# Altium PCB new -finish.PcbDoc (part 2 of 2)
Units mil, origin at the board's own origin, x right, y up, seen from the top; angles counter-clockwise.
Board outline 5529.7 x 2299.1 mil, 2 copper layers (Top Layer, Bottom Layer); 128 components, 106 nets, 434 pads, 104 vias.
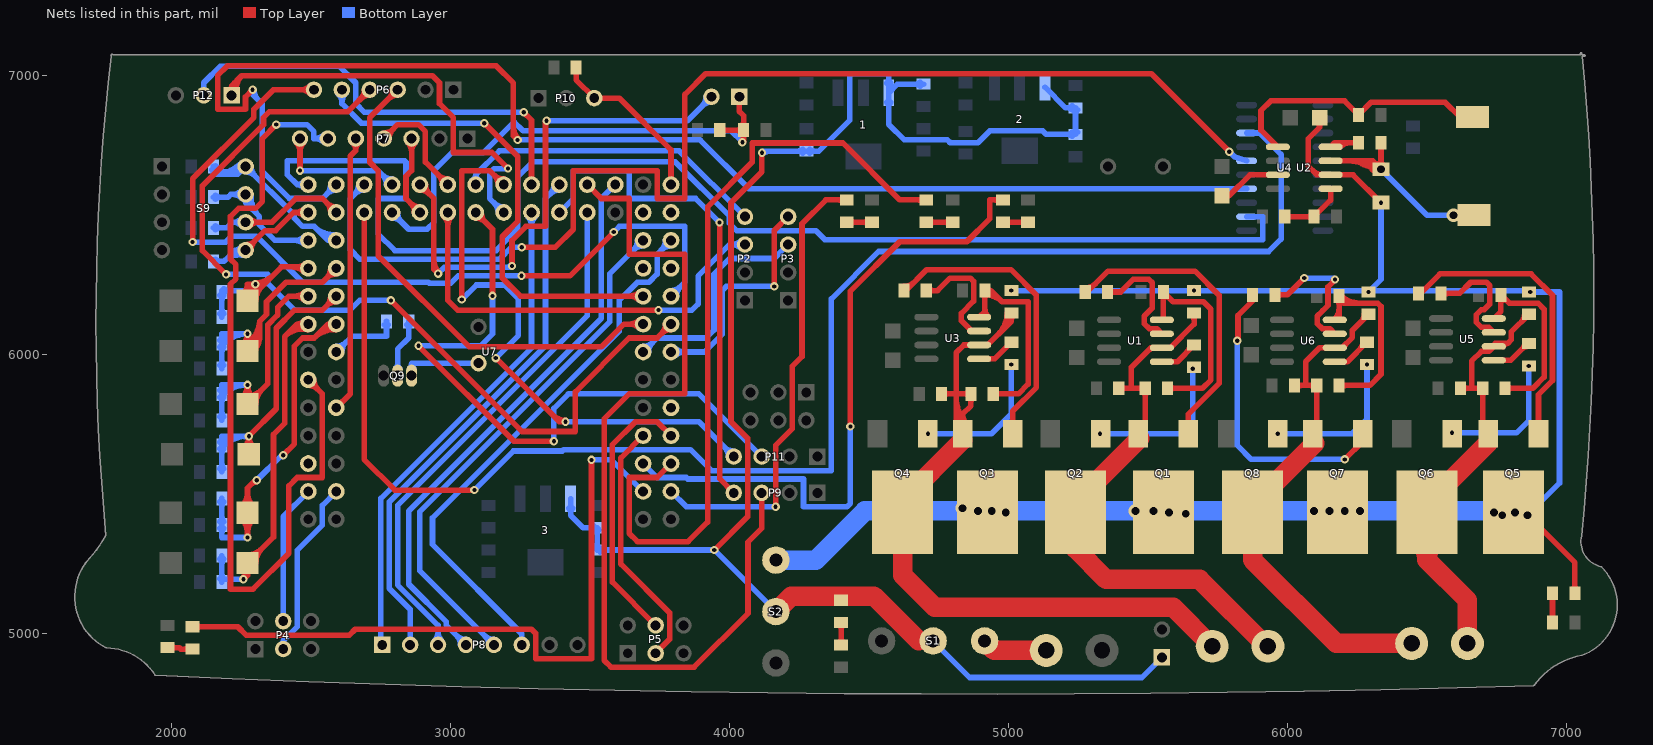
[diagram p2: the nets of this part, all layers, seen from the top]

## Via types
v1: diameter 30, hole 15, Top Layer to Bottom Layer, 76 vias
v2: diameter 50, hole 28, Top Layer to Bottom Layer, 28 vias

## Nets (pads, with @x,y where several pads share a name; then routed paths per layer and width w, separated by ;. In a path a pad name is that pad's centre, name@x,y a point inside that pad or via, vN(x,y) a via of type N, cw(c..) or ccw(c..) an arc to the next point about the centre after c; other vN are vias at no path point) (continued)
NetB1_1: B1.1 C1.2 D2.2 D4.1 Q1.3 Q2.2 U1.6 | length 2191.8
  Top Layer w20: Q2.2@5240,5305 Q2.2@5240,5435 ; D4.1@5395,5880 5435,5880 ; D4.1@5402.07,5872.93 cw(c5419.14,5855.86) 5419.14,5880 cw(c5419.14,5904.14) D4.1@5402.07,5887.07 ; Q1.3@5470,5700 5465.24,5700 Q1.3@5465.24,5716.73 5490,5741.5 C1.2@5490,5880 5435,5880 ; C1.2@5482.93,5867.93 cw(c5465.86,5850.86) 5490,5850.86 cw(c5514.14,5850.86) C1.2@5497.07,5867.93 ; C1.2@5482.93,5872.93 ccw(c5465.86,5855.86) 5465.86,5880 ccw(c5465.86,5904.14) C1.2@5482.93,5887.07 ; 5501.26,6016.26 cw(c5517.99,5999.52) U1.6@5517.99,6023.19 ; D2.2@5657.93,6142.93 cw(c5640.86,6125.86) 5665,6125.86 cw(c5689.14,6125.86) D2.2@5672.07,6142.93 ; D2.2@5665,6150 5665,6110 5580,6025 U1.6@5549.49,6025 5510,6025 5440,5955 5440,5885 5435,5880
  Top Layer w70: Q2.2@5240,5305 5350,5195 5685,5195 5925,4955 B1.1@5930,4955 ; Q2.2@5240,5435 5240,5470 Q1.3@5470,5700
NetB1_2: B1.2 C6.2 D6.2 D7.1 Q3.3 Q4.2 U3.6 | length 3129.3
  Top Layer w20: D7.1@4760,5860 4812.5,5860 ; D7.1@4767.07,5852.93 cw(c4784.14,5835.86) 4784.14,5860 cw(c4784.14,5884.14) D7.1@4767.07,5867.07 ; Q3.3@4812.5,5739.47 4812.5,5860 ; 4812.5,5798.69 ccw(c4902.2,5798.69) Q3.3@4838.77,5735.27 ; 4812.5,5846.98 ccw(c4950.48,5846.98) Q3.3@4852.91,5749.41 ; Q3.3@4818.67,5750.46 ccw(c4786.13,5787.23) 4835.24,5787.23 ; Q3.3@4835.24,5695.24 Q3.3@4835.24,5716.73 4835.24,5787.24 ; Q3.3@4851.8,5750.46 cw(c4884.35,5787.23) 4835.24,5787.23 ; C6.2@4857.93,5847.93 cw(c4840.86,5830.86) 4865,5830.86 cw(c4889.14,5830.86) C6.2@4872.07,5847.93 ; C6.2@4857.93,5852.93 ccw(c4840.86,5835.86) 4840.86,5860 ccw(c4840.86,5884.14) C6.2@4857.93,5867.07 ; U3.6@4894.49,6035 4840,6035 4812.5,6007.5 4812.5,5860 ; U3.6@4925,6035 5010,6120 D6.2@5010,6150 ; 4963.18,6073.18 ccw(c4886.36,6150) D6.2@4995,6150 ; 4997.32,6107.32 ccw(c4954.64,6150) D6.2@5015,6150 ; D6.2@5002.93,6142.93 cw(c4985.86,6125.86) 5010,6125.86 cw(c5034.14,6125.86) D6.2@5017.07,6142.93 ; 4812.5,5860 C6.2@4865,5860 4865,5817 4835.24,5787.24
  Top Layer w70: Q3.3@4835.84,5694.16 4620,5478.33 Q4.2@4620,5435 4620,5210 4735,5095 5590,5095 B1.2@5730,4955
NetB2_1: B2.1 C9.2 D9.2 D10.1 Q5.3 Q6.2 U5.6 | length 1881.3
  Top Layer w20: D10.1@6620,5880 6660,5880 ; D10.1@6627.07,5872.93 cw(c6644.14,5855.86) 6644.14,5880 cw(c6644.14,5904.14) D10.1@6627.07,5887.07 ; C9.2@6692.93,5867.93 cw(c6675.86,5850.86) 6700,5850.86 cw(c6724.14,5850.86) C9.2@6707.07,5867.93 ; C9.2@6692.93,5872.93 ccw(c6675.86,5855.86) 6675.86,5880 ccw(c6675.86,5904.14) C9.2@6692.93,5887.07 ; Q5.3@6720.24,5685.24 Q5.3@6720.24,5716.73 6700,5736.97 C9.2@6700,5880 6660,5880 ; U5.6@6754.01,6036.55 cw(c6760.85,6033.91) U5.6@6760.85,6041.23 ; U5.6@6772.67,6029.35 cw(c6790,6022.66) 6790,6041.23 ; 6839.39,6119.39 ccw(c6813.79,6145) D9.2@6850,6145 ; D9.2@6865,6145 6802.8,6082.8 6802.8,6054.03 6790,6041.23 ; 6660,5880 6660,5977 6694.82,6011.81 6721.3,6011.81 U5.6@6739.49,6030 6745,6030 6745,6041.23 6750.72,6041.23 6790,6041.23
  Top Layer w70: Q6.2@6462.43,5330.6 cw(c6423.95,5265.01) 6500,5265.01 ; Q6.2@6537.57,5330.6 ccw(c6576.05,5265.01) 6500,5265.01 ; B2.1@6645,4965 6645,5120 6500,5265 ; Q5.3@6720.24,5685.24 6500,5465 Q6.2@6500,5435 6500,5265
NetB2_2: B2.2 C11.2 D13.2 D14.1 Q7.3 Q8.2 U6.6 | length 2044.6
  Top Layer w20: D14.1@6025,5890 6065,5890 ; D14.1@6032.07,5882.93 cw(c6049.14,5865.86) 6049.14,5890 cw(c6049.14,5914.14) D14.1@6032.07,5897.07 ; Q7.3@6075,5701.5 6090.24,5701.5 Q7.3@6090.24,5716.73 6105,5731.5 C11.2@6105,5890 6065,5890 ; C11.2@6097.93,5877.93 cw(c6080.86,5860.86) 6105,5860.86 cw(c6129.14,5860.86) C11.2@6112.07,5877.93 ; C11.2@6097.93,5882.93 ccw(c6080.86,5865.86) 6080.86,5890 ccw(c6080.86,5914.14) C11.2@6097.93,5897.07 ; U6.6@6202.8,6025 cw(c6219.27,6025) 6207.62,6036.65 ; 6264.39,6119.39 ccw(c6238.79,6145) D13.2@6275,6145 ; D13.2@6290,6145 6232.8,6087.8 6232.8,6061.82 6195.97,6025 U6.6@6169.49,6025 6115,6025 6065,5975 6065,5890
  Top Layer w70: Q7.3@6097.5,5682.5 5875,5460 Q8.2@5875,5435 5875,5265 6175,4965 B2.2@6445,4965
Netbell1_2: bell1.2 Q9.3 | length 321.7
  Bottom Layer w20: Q9.3@2853.15,5951.53 ccw(c2836.62,5968.07) 2860,5968.07 ccw(c2883.38,5968.07) Q9.3@2866.85,5951.53 ; Q9.3@2860,5925 2860,5970 bell1.2@3100,5970
NetC1_1: C1.1 D1.1 U1.8 | length 841.1
  Top Layer w20: D1.1@5547.93,6212.93 cw(c5530.86,6195.86) 5555,6195.86 cw(c5579.14,6195.86) D1.1@5562.07,6212.93 ; U1.8@5548.21,6126.28 ccw(c5531.81,6142.68) 5555,6142.68 ; U1.8@5549.49,6125 5555,6130.51 D1.1@5555,6225 5590,6190 5698.28,6190 5725,6163.28 5725,5910 5695,5880 C1.1@5570,5880 ; D1.1@5555,6210 cw(c5555,6173.79) 5580.61,6199.39 ; C1.1@5577.07,5872.93 cw(c5594.14,5855.86) 5594.14,5880 cw(c5594.14,5904.14) C1.1@5577.07,5887.07
NetC4_1: C4.1 U2.3 | length 231.6
  Top Layer w20: C4.1@5765,6570 5790,6570 5865,6645 U2.3@5965.51,6645
NetC6_1: C6.1 D5.1 U3.8 | length 973.5
  Top Layer w20: U3.8@4894.49,6135 4915,6155.51 ; D5.1@4907.93,6217.93 cw(c4890.86,6200.86) 4915,6200.86 cw(c4939.14,6200.86) D5.1@4922.07,6217.93 ; D5.1@4914.86,6235 cw(c4915.41,6195.65) 4943.24,6223.48 ; 4915,6165.89 ccw(c4956.87,6165.89) U3.8@4927.26,6136.28 ; D5.1@4915.14,6215 cw(c4916.34,6129.63) 4976.71,6190 ; D5.1@4922.6,6223.5 cw(c4936.72,6211.42) 4936.72,6230 ; D5.1@4922.6,6236.5 ccw(c4936.72,6248.58) 4936.72,6230 ; U3.8@4926.78,6136.63 cw(c4936.03,6155.51) 4915,6155.51 ; C6.1@4945,5860 5035,5860 5070,5895 5070,6190 4976.72,6190 ; C6.1@4952.07,5852.93 cw(c4969.14,5835.86) 4969.14,5860 cw(c4969.14,5884.14) C6.1@4952.07,5867.07 ; 4915,6155.51 D5.1@4915,6230 4936.72,6230 ; 4936.72,6230 4976.72,6190
NetC9_1: C9.1 D8.1 U5.8 | length 776.1
  Top Layer w20: U5.8@6739.49,6130 6765,6155.51 D8.1@6765,6215 6795,6185 6898.28,6185 6920,6163.28 6920,5920 6880,5880 C9.1@6780,5880 ; D8.1@6757.93,6202.93 cw(c6740.86,6185.86) 6765,6185.86 cw(c6789.14,6185.86) D8.1@6772.07,6202.93 ; D8.1@6765,6200 cw(c6765,6163.79) 6790.61,6189.39 ; C9.1@6787.07,5872.93 cw(c6804.14,5855.86) 6804.14,5880 cw(c6804.14,5904.14) C9.1@6787.07,5887.07
NetC11_1: C11.1 D12.1 U6.8 | length 922.1
  Top Layer w20: U6.8@6168.21,6126.28 ccw(c6127.67,6166.82) 6185,6166.82 ; U6.8@6169.49,6125 6185,6140.51 D12.1@6185,6210 6210,6185 ; C11.1@6185,5890 6295,5890 6335,5930 6335,6173.28 6323.28,6185 6210,6185 ; D12.1@6185.19,6195 cw(c6185.84,6160.84) 6210,6185 ; C11.1@6192.07,5882.93 cw(c6209.14,5865.86) 6209.14,5890 cw(c6209.14,5914.14) C11.1@6192.07,5897.07 ; D12.1@6192.07,6197.93 ccw(c6209.14,6180.86) 6185,6180.86 ccw(c6160.86,6180.86) 6177.93,6197.93 ccw(c6209.14,6229.14) 6209.14,6185 ; D12.1@6192.07,6212.07 ccw(c6257.43,6277.43) 6257.43,6185
NetD3_2: D3.2 L1.2 U2.1 | length 989.7
  Top Layer w20: U2.1@5965.51,6745 5905,6805.51 5905,6875 5940,6910 6205,6910 D3.2@6255,6860 6300,6905 6565,6905 6617.83,6852.17 L1.2@6663.94,6852.17
NetD11_1: D11.1 R11.2 | length 180.8
  Top Layer w20: D11.1@6942.93,5052.07 ccw(c6925.86,5069.14) 6950,5069.14 ccw(c6974.14,5069.14) D11.1@6957.07,5052.07 ; R11.2@6942.93,5132.93 cw(c6925.86,5115.86) 6950,5115.86 cw(c6974.14,5115.86) R11.2@6957.07,5132.93 ; D11.1@6950,5040 R11.2@6950,5145
NetD15_1: D15.1 R14.1 | length 155.8
  Top Layer w20: D15.1@4392.93,4967.07 ccw(c4375.86,4984.14) 4400,4984.14 ccw(c4424.14,4984.14) D15.1@4407.07,4967.07 ; R14.1@4392.93,5032.93 cw(c4375.86,5015.86) 4400,5015.86 cw(c4424.14,5015.86) R14.1@4407.07,5032.93 ; D15.1@4400,4960 R14.1@4400,5040
NetD16_1: D16.1 R26.1 | length 165.8
  Top Layer w20: D16.1@4980,6475 R26.1@5070,6475 ; D16.1@4992.07,6467.93 cw(c5009.14,6450.86) 5009.14,6475 cw(c5009.14,6499.14) D16.1@4992.07,6482.07 ; R26.1@5057.93,6467.93 ccw(c5040.86,6450.86) 5040.86,6475 ccw(c5040.86,6499.14) R26.1@5057.93,6482.07
NetD17_1: D17.1 R27.1 | length 170.8
  Top Layer w20: D17.1@4705,6475 R27.1@4800,6475 ; D17.1@4717.07,6467.93 cw(c4734.14,6450.86) 4734.14,6475 cw(c4734.14,6499.14) D17.1@4717.07,6482.07 ; R27.1@4787.93,6467.93 ccw(c4770.86,6450.86) 4770.86,6475 ccw(c4770.86,6499.14) R27.1@4787.93,6482.07
NetD18_1: D18.1 R30.1 | length 167.9
  Top Layer w20: R30.1@1985,4950 2027,4950 2032,4945 D18.1@2075,4945 ; R30.1@1997.07,4942.93 cw(c2014.14,4925.86) 2014.14,4950 cw(c2014.14,4974.14) R30.1@1997.07,4957.07 ; D18.1@2062.93,4937.93 ccw(c2045.86,4920.86) 2045.86,4945 ccw(c2045.86,4969.14) D18.1@2062.93,4952.07
NetD19_1: D19.1 R32.1 | length 165.8
  Top Layer w20: D19.1@4420,6475 R32.1@4510,6475 ; D19.1@4432.07,6467.93 cw(c4449.14,6450.86) 4449.14,6475 cw(c4449.14,6499.14) D19.1@4432.07,6482.07 ; R32.1@4497.93,6467.93 ccw(c4480.86,6450.86) 4480.86,6475 ccw(c4480.86,6499.14) R32.1@4497.93,6482.07
NetH1_2: H1.2 S1.1 | length 235.1
  Top Layer w70: S1.1@4914,4974 4948,4940 H1.2@5135,4940
NetL1_1: L1.1 R2.1 R4.2 U2.7 | length 1410.7
  Top Layer w20: U2.7@6154.49,6695 6305,6695 ; 6221.36,6695 cw(c6221.36,6556.36) R2.1@6319.39,6654.39 ; 6265.74,6685.37 ccw(c6304.71,6752.87) R2.1@6330.11,6679.18 ; 6269.64,6695 cw(c6269.64,6604.64) R2.1@6333.54,6668.54 ; 6299.93,6687.94 cw(c6277.85,6649.69) R2.1@6320.51,6661.12 ; 6303.73,6663.44 ccw(c6323.65,6697.93) R2.1@6336.63,6660.27 ; R2.1@6309.67,6682.31 ccw(c6323.8,6706.79) R2.1@6331.12,6679.49 ; R2.1@6312.93,6687.07 ccw(c6330,6704.14) R2.1@6330,6680 ; R2.1@6315.08,6666.56 ccw(c6280.21,6670.2) 6305,6695 ; R2.1@6320,6665 ccw(c6283.79,6665) 6309.39,6690.61 ccw(c6335,6716.21) R2.1@6335,6680 ; R4.2@6327.93,6747.93 cw(c6310.86,6730.86) 6335,6730.86 cw(c6359.14,6730.86) R4.2@6342.07,6747.93 ; R4.2@6335,6760 v2(6335,6665) 6305,6695 ; v2@6605.61,6489.39 cw(c6631.21,6463.79) 6631.21,6500 cw(c6631.21,6536.21) v2@6605.61,6510.61 ; L1.1@6622.58,6516.15 cw(c6595,6531.62) v2(6595,6500) ; L1.1@6624.17,6484.86 ccw(c6595,6464.32) v2(6595,6500) ; L1.1@6667.87,6501.77 6666.1,6500 v2(6595,6500) ; 6335,6701.21 cw(c6298.79,6701.21) 6324.39,6675.61 ccw(c6298.79,6701.21) 6335,6701.21 ; 6335,6701.21 ccw(c6371.21,6701.21) 6345.61,6675.61 cw(c6371.21,6701.21) 6335,6701.21
  Bottom Layer w20: v2(6335,6665) 6500,6500 v2(6595,6500)
NetQ1_1: Q1.1 R1.2 | length 1130.4
  Top Layer w20: R1.2@5275,6225 5281.72,6225 5356.72,6300 5668.28,6300 5755,6213.28 5755,5897.57 5644.76,5787.34 Q1.1@5644.76,5716.73 ; R1.2@5275,6240 ccw(c5275,6292.43) 5312.07,6255.36
NetQ2_1: Q2.1 R3.2 | length 541.2
  Top Layer w20: v1(5328.27,5716.73) Q2.1@5329.76,5716.73
  Bottom Layer w20: v1(5328.27,5716.73) 5616.73,5716.73 5660,5760 v1(5660,5950)
NetQ3_1: Q3.1 R7.2 | length 1117.1
  Top Layer w20: R7.2@4625,6230 4631.72,6230 4706.72,6305 5008.28,6305 5100,6213.28 5100,5882.57 5014.76,5797.34 Q3.1@5014.76,5716.73 ; R7.2@4625,6245 ccw(c4625,6297.43) 4662.07,6260.36
NetQ4_1: Q4.1 R8.2 | length 506.5
  Top Layer w20: Q4.1@4709.76,5716.73 v1(4711.73,5716.73)
  Bottom Layer w20: v1(4711.73,5716.73) 4938.27,5716.73 5010,5788.46 v1(5010,5965)
NetQ5_1: Q5.1 R9.2 | length 1058.1
  Top Layer w20: R9.2@6470,6220 6476.72,6220 6546.72,6290 6873.28,6290 6950,6213.28 6950,5907.57 6899.76,5857.34 Q5.1@6899.76,5716.73
NetQ6_1: Q6.1 R10.2 | length 492.3
  Top Layer w20: Q6.1@6589.76,5716.73 v1(6589.76,5720.24)
  Bottom Layer w20: v1(6589.76,5720.24) 6820.24,5720.24 6865,5765 v1(6865,5960)
NetQ7_1: Q7.1 R12.2 | length 1081.3
  Top Layer w20: v1@5816.46,6053.54 ccw(c5801.89,6068.11) 5822.5,6068.11 ; v1(5820,6050) 5822.5,6047.5 5822.5,6140.78 5875,6193.28 R12.2@5875,6215 ; v1(6205,5625) Q7.1@6269.76,5689.76
  Bottom Layer w20: v1(5820,6050) 5820,5675 5870,5625 v1(6205,5625)
NetQ8_1: Q8.1 R13.2 | length 537.3
  Top Layer w20: Q8.1@5964.76,5716.73 v1(5965,5716.97)
  Bottom Layer w20: v1(5965,5716.97) 6231.97,5716.97 6285,5770 v1(6285,5965)
NetQ9_2: Q9.2 R21.2 | length 286.2
  Bottom Layer w20: Q9.2@2803.15,5951.53 ccw(c2786.62,5968.07) 2810,5968.07 ccw(c2833.38,5968.07) Q9.2@2816.85,5951.53 ; Q9.2@2810,5925 2810,6020 2850,6060 R21.2@2850,6120 ; R21.2@2842.93,6107.93 cw(c2825.86,6090.86) 2850,6090.86 cw(c2874.14,6090.86) R21.2@2857.07,6107.93
NetR1_1: R1.1 U1.7 | length 458.4
  Top Layer w20: R1.1@5355,6225 5401.72,6225 5446.72,6270 5503.28,6270 5515,6258.28 5515,6167 5486.18,6138.18 5486.18,6111.82 5504.82,6093.19 5531.3,6093.19 U1.7@5549.49,6075 ; R1.1@5362.07,6217.93 cw(c5379.14,6200.86) 5379.14,6225 cw(c5379.14,6249.14) R1.1@5362.07,6232.07
NetR3_1: R3.1 U1.5 | length 168.8
  Top Layer w20: U1.5@5549.49,5975 5605,5975 R3.1@5665,6035 ; 5639.39,6009.39 ccw(c5613.79,6035) R3.1@5650,6035
NetR4_1: R4.1 U2.8 | length 188.3
  Top Layer w20: U2.8@6154.49,6745 6169.49,6760 R4.1@6255,6760 ; U2.8@6187.26,6743.72 cw(c6226.57,6704.41) 6226.57,6760 ; R4.1@6247.93,6752.93 ccw(c6230.86,6735.86) 6230.86,6760 ccw(c6230.86,6784.14) R4.1@6247.93,6767.07
NetR5_2: R5.2 R6.2 U2.5 | length 305.5
  Top Layer w20: R6.2@5990,6495 R5.2@6095,6495 6154.49,6554.49 U2.5@6154.49,6595 ; R6.2@5997.07,6487.93 cw(c6014.14,6470.86) 6014.14,6495 cw(c6014.14,6519.14) R6.2@5997.07,6502.07 ; R5.2@6087.93,6487.93 ccw(c6070.86,6470.86) 6070.86,6495 ccw(c6070.86,6519.14) R5.2@6087.93,6502.07
NetR7_1: R7.1 U3.7 | length 482.5
  Top Layer w20: R7.1@4705,6230 4745.25,6230 4790.25,6275 4863.28,6275 4875,6263.28 4875,6192 4831.18,6148.18 4831.18,6121.82 4868,6085 U3.7@4894.49,6085 ; R7.1@4712.07,6222.93 cw(c4729.14,6205.86) 4729.14,6230 cw(c4729.14,6254.14) R7.1@4712.07,6237.07 ; 4856.36,6096.65 cw(c4844.71,6085) U3.7@4861.18,6085
NetR8_1: R8.1 U3.5 | length 140.4
  Top Layer w20: U3.5@4894.49,5985 4950,5985 R8.1@5010,6045
NetR9_1: R9.1 U5.7 | length 470.6
  Top Layer w20: R9.1@6550,6220 6616.72,6220 6656.72,6260 6713.28,6260 6725,6248.28 6725,6181.72 6705.1,6161.81 6694.82,6161.81 6676.18,6143.18 6676.18,6116.82 6694.82,6098.19 6721.3,6098.19 U5.7@6739.49,6080 ; R9.1@6557.07,6212.93 cw(c6574.14,6195.86) 6574.14,6220 cw(c6574.14,6244.14) R9.1@6557.07,6227.07
NetR10_1: R10.1 U5.5 | length 188.3
  Top Layer w20: U5.5@6739.49,5980 6800,5980 6860,6040 R10.1@6865,6040 ; R10.1@6850,6040 cw(c6825.86,6040) 6842.93,6022.93 cw(c6860,6005.86) R10.1@6860,6030
NetR12_1: R12.1 U6.7 | length 578.8
  Top Layer w20: R12.1@5955,6215 6000,6215 v1(6060,6275) ; R12.1@5962.07,6207.93 cw(c5979.14,6190.86) 5979.14,6215 cw(c5979.14,6239.14) R12.1@5962.07,6222.07 ; 6160.25,6258.54 ccw(c6148.79,6270) v1@6165,6270 ; U6.7@6169.49,6075 6151.3,6093.19 6124.82,6093.19 6106.18,6111.82 6106.18,6138.18 6124.82,6156.81 6125.1,6156.81 6145,6176.72 6145,6243.28 6170,6268.28 v1(6170,6270)
  Bottom Layer w20: v1(6060,6275) 6165,6275 v1(6170,6270) ; 6145.86,6275 cw(c6145.86,6245.86) v1@6166.46,6266.46
NetR13_1: R13.1 U6.5 | length 172.9
  Top Layer w20: U6.5@6169.49,5975 6215,5975 R13.1@6285,6045 ; 6259.39,6019.39 ccw(c6233.79,6045) R13.1@6270,6045
PTA0: C25.2 R15.1 S3.2 U7.57 | length 1674.8
  Top Layer w20: S3.2@2250.52,5411.98 cw(c2199.31,5360.76) 2271.73,5360.76 cw(c2344.16,5360.76) S3.2@2292.95,5411.98 ; S3.2@2250.52,5454.4 ccw(c2199.31,5505.62) 2271.73,5505.62 ccw(c2344.16,5505.62) S3.2@2292.95,5454.4 ; v1(2271.73,5345) S3.2@2271.73,5433.19 2271.73,5521.73 2300,5550 v1(2305,5550) ; 2287.93,5537.93 cw(c2305,5520.86) v1@2305,5545 ; v1(2400,5640) 2440,5680 2440,6030.71 2469.29,6060 2510.71,6060 ; 2542.47,6091.76 cw(c2586.71,6047.51) U7.57@2590,6110 2560.71,6110 2510.71,6060 ; U7.57@2588.95,6090.03 ccw(c2583.54,5987.17) 2510.71,6060
  Bottom Layer w20: R15.1@2172.93,5377.93 cw(c2155.86,5360.86) 2180,5360.86 cw(c2204.14,5360.86) R15.1@2187.07,5377.93 ; R15.1@2172.93,5402.07 ccw(c2155.86,5419.14) 2180,5419.14 ccw(c2204.14,5419.14) R15.1@2187.07,5402.07 ; C25.2@2172.93,5472.93 cw(c2155.86,5455.86) 2180,5455.86 cw(c2204.14,5455.86) C25.2@2187.07,5472.93 ; C25.2@2180,5485 R15.1@2180,5390 2180,5345 v1(2271.73,5345) ; v1(2305,5550) 2390,5635 2395,5635 v1(2400,5640)
PTA1: C26.2 R16.1 S4.2 U7.56 | length 1359
  Top Layer w20: S4.2@2251.32,5845.17 ccw(c2207.83,5892) v1(2271.73,5892) ; S4.2@2271.73,5853.19 ccw(c2271.73,5925.62) 2322.95,5874.4 ccw(c2374.16,5823.19) S4.2@2301.73,5823.19 ; S4.2@2292.15,5845.17 cw(c2335.64,5892) v1(2271.73,5892) ; U7.56@2475.86,6195.86 ccw(c2441.72,6161.72) 2441.72,6210 ccw(c2441.72,6258.28) U7.56@2475.86,6224.14 ; U7.56@2490,6210 2420,6210 2380,6170 2380,6142.43 2345,6107.43 2345,5896.46 S4.2@2271.73,5823.19 v1(2271.73,5892)
  Bottom Layer w20: R16.1@2172.93,5777.07 ccw(c2155.86,5794.14) 2180,5794.14 ccw(c2204.14,5794.14) R16.1@2187.07,5777.07 ; C26.2@2172.93,5847.93 cw(c2155.86,5830.86) 2180,5830.86 cw(c2204.14,5830.86) C26.2@2187.07,5847.93 ; R16.1@2180,5765 C26.2@2180,5860 2180,5892 v1(2271.73,5892) ; C26.2@2187.07,5857.93 cw(c2269.33,5775.67) v1@2269.33,5892 ; C26.2@2187.07,5872.07 cw(c2204.14,5889.14) 2180,5889.14 cw(c2155.86,5889.14) 2172.93,5872.07 cw(c2221.04,5823.96) 2221.04,5892
PTA2: C27.2 R17.1 S5.2 U7.55 | length 1588.6
  Top Layer w20: S5.2@2257.27,5666.02 ccw(c2221.32,5708.19) v1@2276.73,5708.19 ; S5.2@2257.32,5666.06 ccw(c2221.73,5708) v1(2276.73,5708) ; S5.2@2296.14,5666.06 cw(c2331.73,5708) v1(2276.73,5708) ; S5.2@2296.19,5666.02 cw(c2332.14,5708.19) v1@2276.73,5708.19 ; U7.55@2570,6210 cw(c2521.72,6210) 2555.86,6175.86 cw(c2590,6141.72) U7.55@2590,6190 ; U7.55@2590,6210 2540,6160 2440,6160 2375,6095 2375,5806.46 v1@2276.73,5708.19 ; v1(2276.73,5708) S5.2@2276.73,5643.19 v1@2276.73,5708.19
  Bottom Layer w20: R17.1@2172.93,5592.07 ccw(c2155.86,5609.14) 2180,5609.14 ccw(c2204.14,5609.14) R17.1@2187.07,5592.07 ; C27.2@2172.93,5662.93 cw(c2155.86,5645.86) 2180,5645.86 cw(c2204.14,5645.86) C27.2@2187.07,5662.93 ; R17.1@2180,5580 C27.2@2180,5675 2180,5708 v1(2276.73,5708) ; C27.2@2187.07,5672.93 cw(c2271.74,5588.26) v1@2271.74,5708 ; C27.2@2187.07,5687.07 cw(c2204.14,5704.14) 2180,5704.14 cw(c2155.86,5704.14) 2172.93,5687.07 cw(c2223.46,5636.54) 2223.46,5708 ; 2261.72,5705.32 cw(c2265.99,5689.4) v1@2274.23,5703.67
PTA3: C28.2 R18.1 S6.2 U7.54 | length 1167.4
  Top Layer w20: S6.2@2253.79,6217.24 ccw(c2227.12,6253) 2271.73,6253 ; S6.2@2271.73,6223.19 ccw(c2271.73,6295.62) 2322.95,6244.4 ccw(c2374.16,6193.19) S6.2@2301.73,6193.19 ; S6.2@2289.67,6217.24 cw(c2316.35,6253) 2271.73,6253 ; v1@2295,6252.8 cw(c2215.39,6249.53) S6.2@2271.73,6193.19 ; 2300,6238 ccw(c2300,6277.94) 2328.24,6249.7 ; v1(2300,6253) 2271.73,6253 ; v1@2300,6258 ccw(c2300,6346.22) 2362.38,6283.84 ; S6.2@2303.99,6225.45 ccw(c2277.37,6252.07) 2314.99,6253.61 ; 2429.64,6315 cw(c2429.64,6249.64) U7.54@2475.86,6295.86 ; 2453.79,6315 ccw(c2453.79,6346.21) U7.54@2475.86,6324.14 ; U7.54@2490,6310 2485,6315 2393.54,6315 S6.2@2271.73,6193.19 ; S6.2@2271.73,6193.19 2271.73,6253
  Bottom Layer w20: R18.1@2172.93,6147.07 ccw(c2155.86,6164.14) 2180,6164.14 ccw(c2204.14,6164.14) R18.1@2187.07,6147.07 ; C28.2@2172.93,6212.93 cw(c2155.86,6195.86) 2180,6195.86 cw(c2204.14,6195.86) C28.2@2187.07,6212.93 ; R18.1@2180,6135 C28.2@2180,6225 2180,6230 2277,6230 v1(2300,6253) ; C28.2@2187.07,6222.93 cw(c2204.14,6205.86) 2204.14,6230 cw(c2204.14,6254.14) C28.2@2187.07,6237.07
PTA6: Pn2.1 R28.2 R29.1 U7.43 | length 2083.1
  Top Layer w20: R28.2@3965,6805 R29.1@4050,6805 ; R28.2@3972.07,6797.93 cw(c3989.14,6780.86) 3989.14,6805 cw(c3989.14,6829.14) R28.2@3972.07,6812.07 ; Pn2.1@4035,6925 4035,6872 4050,6857 R29.1@4050,6805 ; v1@4042.46,6765.54 ccw(c4024.27,6783.73) R29.1@4050,6783.73 ; R29.1@4042.93,6792.93 cw(c4025.86,6775.86) 4050,6775.86 cw(c4074.14,6775.86) R29.1@4057.07,6792.93 ; R29.1@4042.93,6797.93 ccw(c4025.86,6780.86) 4025.86,6805 ccw(c4025.86,6829.14) R29.1@4042.93,6812.07 ; R29.1@4042.93,6817.07 ccw(c4025.86,6834.14) 4050,6834.14 ccw(c4074.14,6834.14) R29.1@4057.07,6817.07 ; v1(4046,6762) 4050,6766 R29.1@4050,6805
  Bottom Layer w20: U7.43@2790,6490 cw(c2790,6441.72) 2824.14,6475.86 cw(c2858.28,6510) U7.43@2810,6510 ; U7.43@2790,6510 2850,6450 2916,6450 2940,6474 2940,6660 3004.56,6724.56 3117.39,6724.56 3227.83,6835 3259.83,6803 4005,6803 v1(4046,6762)
PTA7: Pn2.2 U7.42 | length 2084.6
  Top Layer w20: U7.42@2890,6590 cw(c2890,6541.72) 2924.14,6575.86 cw(c2958.28,6610) U7.42@2910,6610 ; U7.42@2890,6610 2940,6560 2940,6306 v1(2955,6291) ; 2940,6339.28 ccw(c3003.28,6339.28) v1@2958.54,6294.54 ; v1(3220,6318) 3220,6410 3270,6460 3340,6460 3340,6835 v1(3344,6839)
  Bottom Layer w20: v1(2955,6291) 2977,6313 3215,6313 v1(3220,6318) ; 3195.86,6313 ccw(c3195.86,6342.14) v1@3216.46,6321.54 ; v1(3344,6839) 3849,6839 Pn2.2@3935,6925 ; Pn2.2@3915.47,6925 cw(c3868.33,6925) 3901.66,6891.66 cw(c3935,6858.33) Pn2.2@3935,6905.47
PTB0: P2.3 U7.39 | length 1700.3
  Top Layer w20: U7.39@2975.86,6495.86 cw(c2941.72,6461.72) 2990,6461.72 cw(c3038.28,6461.72) U7.39@3004.14,6495.86 ; U7.39@2990,6510 2990,6195 3025,6160 v1(3745,6160)
  Bottom Layer w20: v1(3745,6160) 3865,6160 3887,6182 3887,6282 4000,6395 P2.3@4055,6395 ; P2.3@4041.19,6381.19 ccw(c4007.86,6347.86) 4007.86,6395 ccw(c4007.86,6442.14) P2.3@4041.19,6408.81
PTB1: P2.4 U7.38 | length 1179.4